# KiCad board motherboard-hk10.kicad_pcb
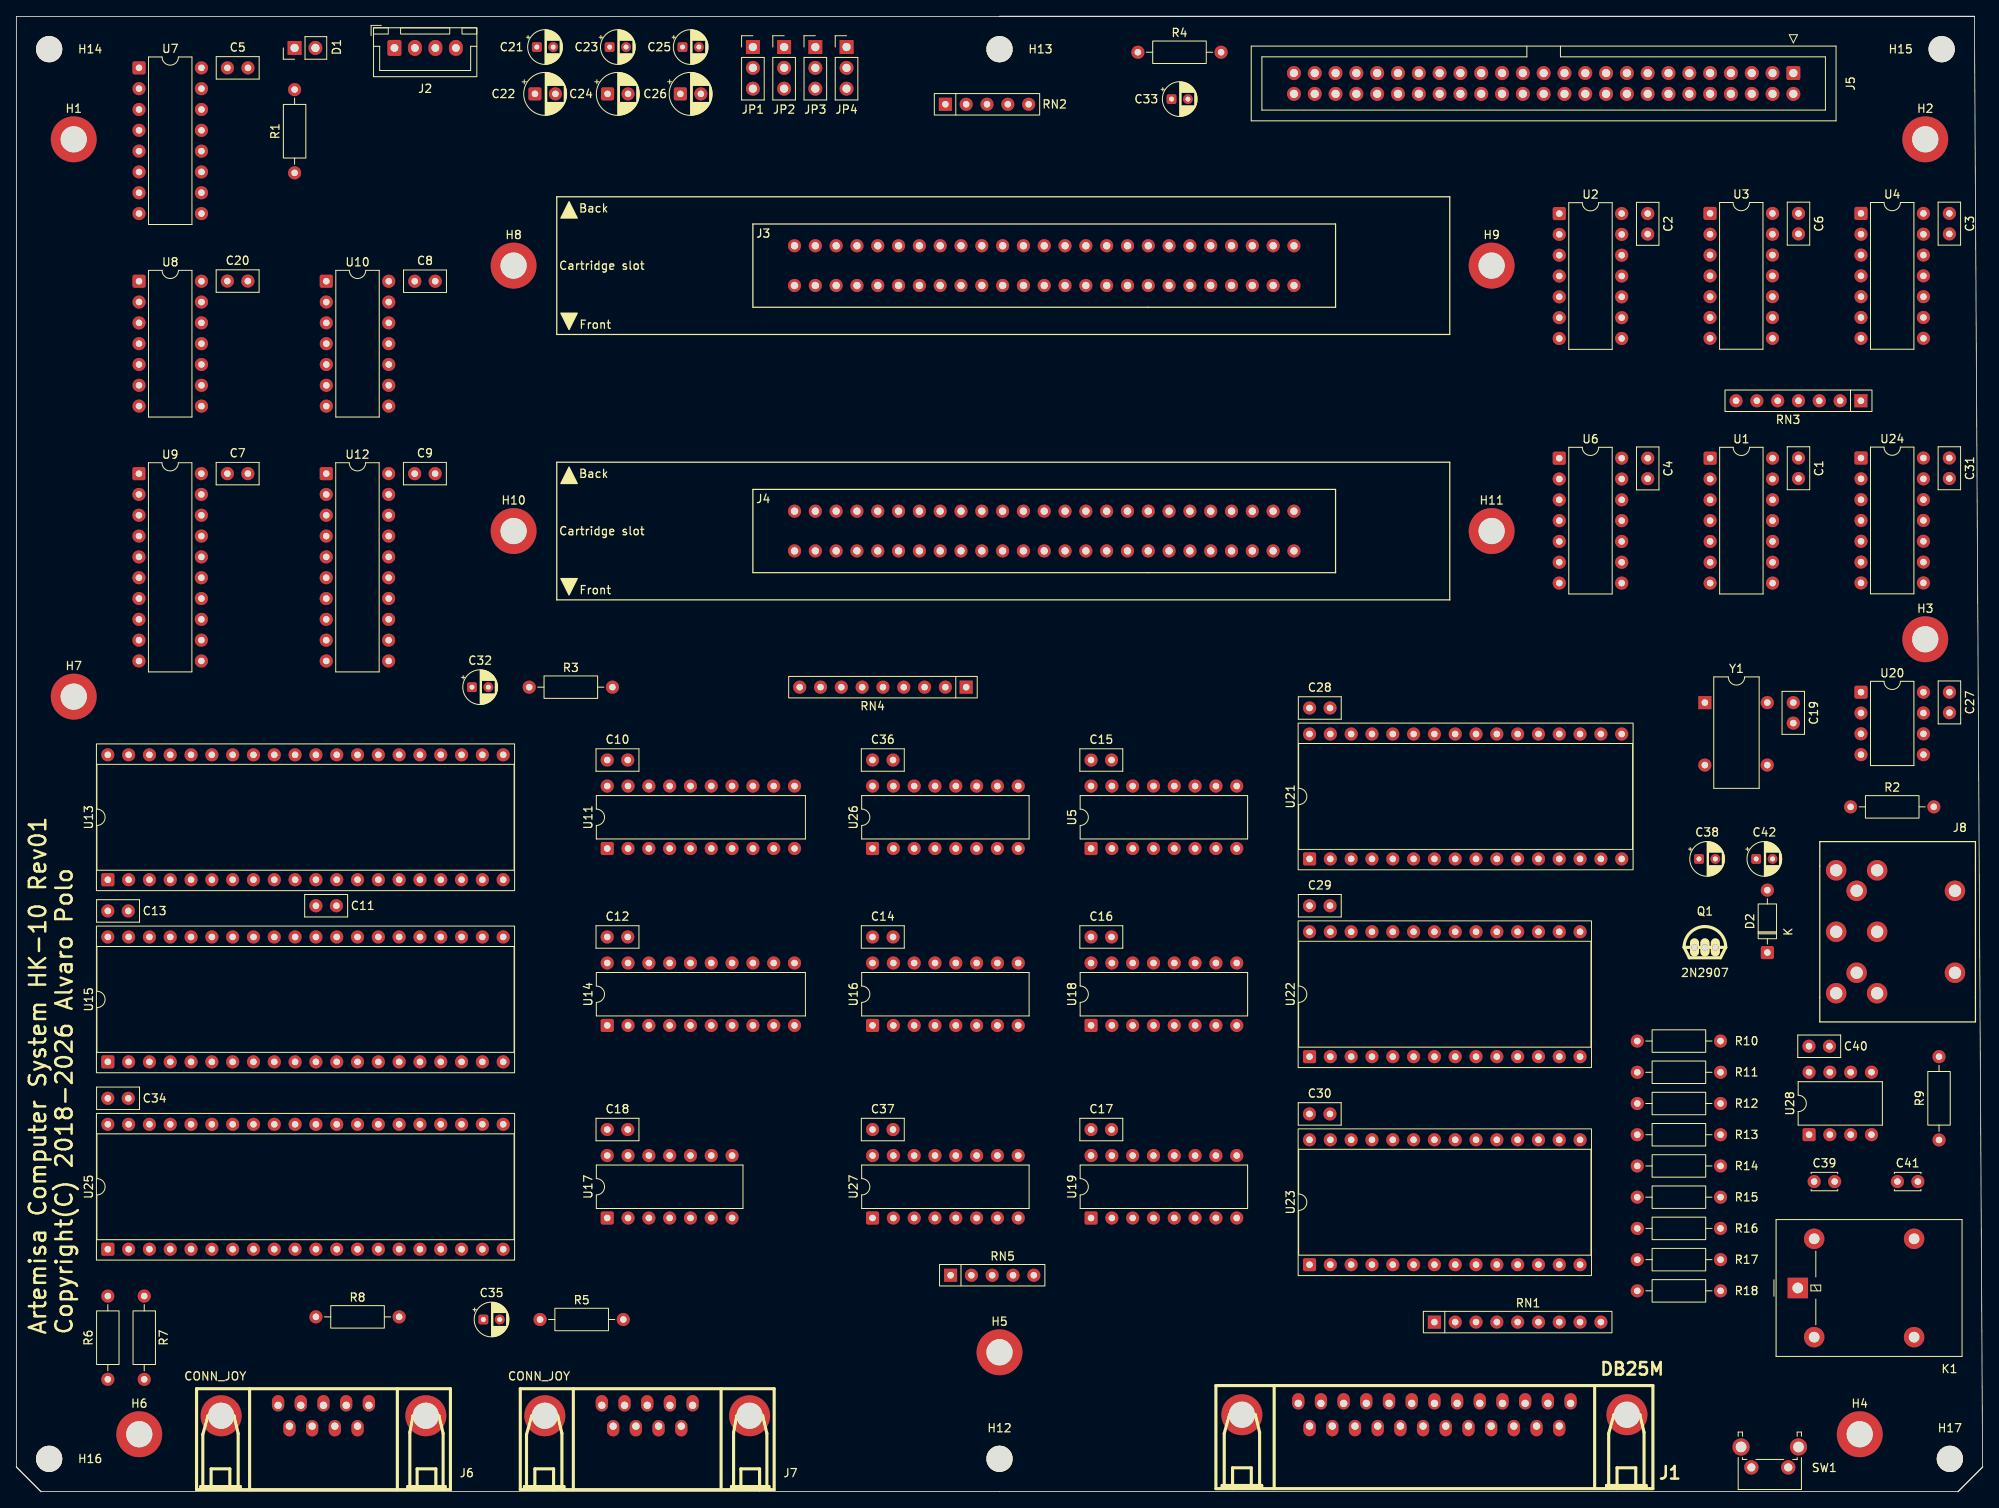
[diagram p0: board, top side]
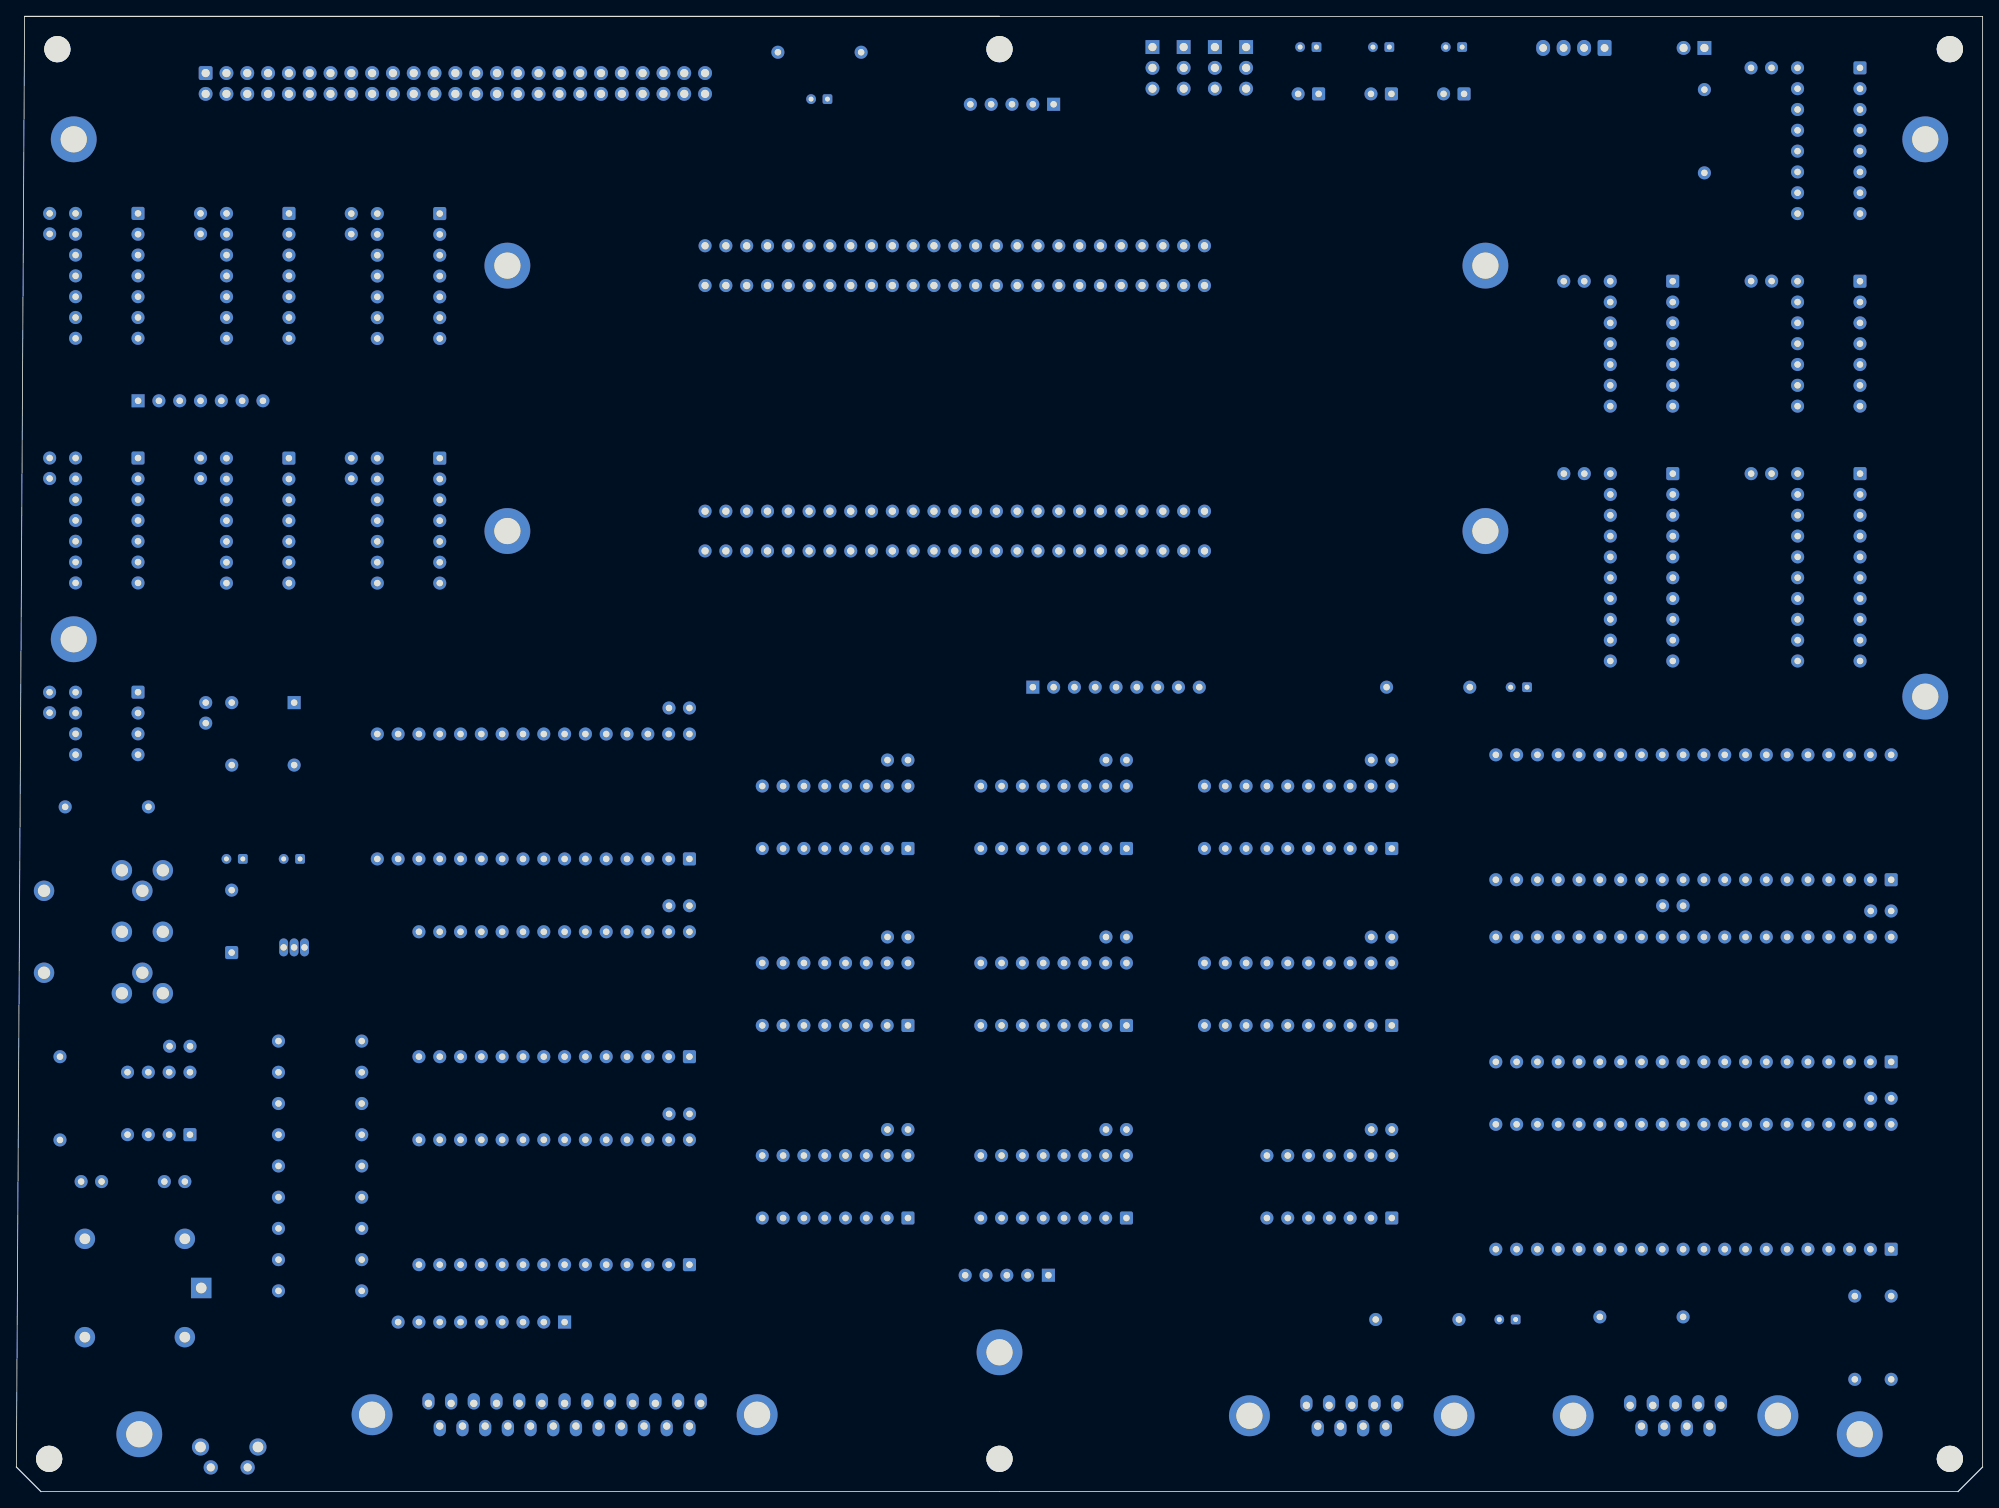
[diagram p1: board, bottom side, seen from below]

Outline 240 x 180 mm; copper layers: Top, Bottom. Coordinates in mm from the lower left corner of the outline.
Outline path: 0,180 239,180 240,3 237,0 3,0 0,3 0,180

## Placement (name value [footprint] x y rotation side)
C1  100nF  [C_Disc_D5.0mm_W2.5mm_P2.50mm]  217.52 126.11 270 top
C2  100nF  [C_Disc_D5.0mm_W2.5mm_P2.50mm]  199.12 155.94 270 top
C3  100nF  [C_Disc_D5.0mm_W2.5mm_P2.50mm]  235.94 155.96 270 top
C4  100nF  [C_Disc_D5.0mm_W2.5mm_P2.50mm]  199.12 126.09 270 top
C5  100nF  [C_Disc_D5.0mm_W2.5mm_P2.50mm]  25.77 173.72 0 top
C6  100nF  [C_Disc_D5.0mm_W2.5mm_P2.50mm]  217.52 155.96 270 top
C7  100nF  [C_Disc_D5.0mm_W2.5mm_P2.50mm]  25.75 124.21 0 top
C8  100nF  [C_Disc_D5.0mm_W2.5mm_P2.50mm]  48.62 147.69 0 top
C9  100nF  [C_Disc_D5.0mm_W2.5mm_P2.50mm]  48.61 124.21 0 top
C10  100nF  [C_Disc_D5.0mm_W2.5mm_P2.50mm]  72.12 89.26 0 top
C11  100nF  [C_Disc_D5.0mm_W2.5mm_P2.50mm]  36.56 71.48 0 top
C12  100nF  [C_Disc_D5.0mm_W2.5mm_P2.50mm]  72.12 67.67 0 top
C13  100nF  [C_Disc_D5.0mm_W2.5mm_P2.50mm]  11.16 70.85 0 top
C14  100nF  [C_Disc_D5.0mm_W2.5mm_P2.50mm]  104.51 67.67 0 top
C15  100nF  [C_Disc_D5.0mm_W2.5mm_P2.50mm]  131.18 89.26 0 top
C16  100nF  [C_Disc_D5.0mm_W2.5mm_P2.50mm]  131.18 67.67 0 top
C17  100nF  [C_Disc_D5.0mm_W2.5mm_P2.50mm]  131.18 44.18 0 top
C18  100nF  [C_Disc_D5.0mm_W2.5mm_P2.50mm]  72.12 44.18 0 top
C19  100nF  [C_Disc_D5.0mm_W2.5mm_P2.50mm]  216.89 96.27 270 top
C20  100nF  [C_Disc_D5.0mm_W2.5mm_P2.50mm]  25.75 147.7 0 top
C21  10uF  [CP_Radial_D4.0mm_P2.00mm]  63.53 176.26 0 top
C22  100uF  [CP_Radial_D5.0mm_P2.50mm]  63.29 170.54 0 top
C23  10uF  [CP_Radial_D4.0mm_P2.00mm]  72.42 176.26 0 top
C24  100uF  [CP_Radial_D5.0mm_P2.50mm]  72.16 170.54 0 top
C25  10uF  [CP_Radial_D4.0mm_P2.00mm]  81.31 176.26 0 top
C26  100uF  [CP_Radial_D5.0mm_P2.50mm]  81.05 170.54 0 top
C27  100nF  [C_Disc_D5.0mm_W2.5mm_P2.50mm]  235.95 97.54 270 top
C28  100nF  [C_Disc_D5.0mm_W2.5mm_P2.50mm]  157.85 95.61 0 top
C29  100nF  [C_Disc_D5.0mm_W2.5mm_P2.50mm]  157.85 71.48 0 top
C30  100nF  [C_Disc_D5.0mm_W2.5mm_P2.50mm]  157.83 46.09 0 top
C31  100nF  [C_Disc_D5.0mm_W2.5mm_P2.50mm]  235.94 126.11 270 top
C32  10u  [CP_Radial_D4.0mm_P2.00mm]  55.61 98.16 0 top
C33  10u  [CP_Radial_D4.0mm_P2.00mm]  141 169.91 0 top
C34  100nF  [C_Disc_D5.0mm_W2.5mm_P2.50mm]  11.16 47.99 0 top
C35  10u  [CP_Radial_D4.0mm_P2.00mm]  57 21 0 top
C36  100nF  [C_Disc_D5.0mm_W2.5mm_P2.50mm]  104.51 89.26 0 top
C37  100nF  [C_Disc_D5.0mm_W2.5mm_P2.50mm]  104.51 44.18 0 top
C38  1uF  [CP_Radial_D4.0mm_P2.00mm]  205.38 77.2 0 top
C39  22nF  [C_Disc_D3.0mm_W2.0mm_P2.50mm]  219.44 37.83 0 top
C40  100nF  [C_Disc_D5.0mm_W2.5mm_P2.50mm]  218.81 54.34 0 top
C41  22nF  [C_Disc_D3.0mm_W2.0mm_P2.50mm]  229.6 37.83 0 top
C42  1uF  [CP_Radial_D4.0mm_P2.00mm]  212.36 77.2 0 top
D1  LED  [PinHeader_1x02_P2.54mm_Vertical]  33.96 176.15 90 top
D2  1N4448  [D_DO-35_SOD27_P7.62mm_Horizontal]  213.72 65.77 90 top
H1  -  [MountingHole_3.2mm_M3_DIN965_Pad]  7 165 0 top
H2  -  [MountingHole_3.2mm_M3_DIN965_Pad]  233 165 0 top
H3  -  [MountingHole_3.2mm_M3_DIN965_Pad]  233 104 0 top
H4  -  [MountingHole_3.2mm_M3_DIN965_Pad]  225 7 0 top
H5  -  [MountingHole_3.2mm_M3_DIN965_Pad]  120 17 0 top
H6  -  [MountingHole_3.2mm_M3_DIN965_Pad]  15 7 0 top
H7  -  [MountingHole_3.2mm_M3_DIN965_Pad]  7 97 0 top
H8  -  [MountingHole_3.2mm_M3_DIN965_Pad]  60.69 149.59 0 top
H9  -  [MountingHole_3.2mm_M3_DIN965_Pad]  180.07 149.59 0 top
H10  -  [MountingHole_3.2mm_M3_DIN965_Pad]  60.69 117.2 0 top
H11  -  [MountingHole_3.2mm_M3_DIN965_Pad]  180.07 117.2 0 top
H12  -  [MountingHole_3.2mm_M3_DIN965]  120 4 0 top
H13  -  [MountingHole_3.2mm_M3_DIN965]  120 176 0 top
H14  -  [MountingHole_3.2mm_M3_DIN965]  4 176 0 top
H15  -  [MountingHole_3.2mm_M3_DIN965]  235 176 0 top
H16  -  [MountingHole_3.2mm_M3_DIN965]  4 4 0 top
H17  -  [MountingHole_3.2mm_M3_DIN965]  236 4 0 top
J1  -  [DB25M]  173.08 2.27 0 top
J2  Conn_01x04_Socket  [JST_XH_B4B-XH-A_1x04_P2.50mm_Vertical]  46.14 176.15 0 top
J3  MSX_Slot  [Slot_conn]  125.46 149.59 0 top
J4  MSX_Slot  [Slot_conn]  125.46 117.2 0 top
J5  GFX_Connector_Output  [IDC-Header_2x25_P2.54mm_Vertical]  216.9 173.08 270 top
J6  CONN_JOY  [Joystick_conn]  37.48 2.14 0 top
J7  CONN_JOY  [Joystick_conn]  77 2.14 0 top
J8  -  [DIN8]  239.12 68.31 90 top
JP1  Jumper  [PinHeader_1x03_P2.54mm_Vertical]  89.9 176.26 0 top
JP2  Jumper  [PinHeader_1x03_P2.54mm_Vertical]  93.71 176.26 0 top
JP3  Jumper  [PinHeader_1x03_P2.54mm_Vertical]  97.52 176.26 0 top
JP4  Jumper  [PinHeader_1x03_P2.54mm_Vertical]  101.33 176.26 0 top
K1  Relay  [Relay_SPDT_Omron-G5LE-1]  217.44 24.84 90 top
Q1  2N2907  [TO92]  206.1 66.41 0 top
R1  220  [R_Axial_DIN0207_L6.3mm_D2.5mm_P10.16mm_Horizontal]  33.96 160.91 90 top
R2  4K7  [R_Axial_DIN0207_L6.3mm_D2.5mm_P10.16mm_Horizontal]  223.88 83.55 0 top
R3  20k  [R_Axial_DIN0207_L6.3mm_D2.5mm_P10.16mm_Horizontal]  62.59 98.16 0 top
R4  4k7  [R_Axial_DIN0207_L6.3mm_D2.5mm_P10.16mm_Horizontal]  136.89 175.62 0 top
R5  2k7  [R_Axial_DIN0207_L6.3mm_D2.5mm_P10.16mm_Horizontal]  63.92 21 0 top
R6  470  [R_Axial_DIN0207_L6.3mm_D2.5mm_P10.16mm_Horizontal]  11.16 13.7 90 top
R7  10K  [R_Axial_DIN0207_L6.3mm_D2.5mm_P10.16mm_Horizontal]  15.61 23.86 270 top
R8  10K  [R_Axial_DIN0207_L6.3mm_D2.5mm_P10.16mm_Horizontal]  36.56 21.32 0 top
R9  1k  [R_Axial_DIN0207_L6.3mm_D2.5mm_P10.16mm_Horizontal]  234.68 42.91 90 top
R10  4k7  [R_Axial_DIN0207_L6.3mm_D2.5mm_P10.16mm_Horizontal]  197.85 54.97 0 top
R11  2k2  [R_Axial_DIN0207_L6.3mm_D2.5mm_P10.16mm_Horizontal]  197.85 51.16 0 top
R12  4k7  [R_Axial_DIN0207_L6.3mm_D2.5mm_P10.16mm_Horizontal]  197.85 47.35 0 top
R13  100  [R_Axial_DIN0207_L6.3mm_D2.5mm_P10.16mm_Horizontal]  197.85 43.54 0 top
R14  4k7  [R_Axial_DIN0207_L6.3mm_D2.5mm_P10.16mm_Horizontal]  197.85 39.73 0 top
R15  220k  [R_Axial_DIN0207_L6.3mm_D2.5mm_P10.16mm_Horizontal]  197.85 35.92 0 top
R16  10k  [R_Axial_DIN0207_L6.3mm_D2.5mm_P10.16mm_Horizontal]  197.85 32.11 0 top
R17  2k7  [R_Axial_DIN0207_L6.3mm_D2.5mm_P10.16mm_Horizontal]  197.85 28.31 0 top
R18  2k7  [R_Axial_DIN0207_L6.3mm_D2.5mm_P10.16mm_Horizontal]  197.85 24.5 0 top
RN1  10K  [R_Array_SIP9]  173.08 20.69 0 top
RN2  10K  [R_Array_SIP5]  113.39 169.27 0 top
RN3  10K  [R_Array_SIP7]  225.14 133.1 180 top
RN4  10K  [R_Array_SIP9]  115.93 98.16 180 top
RN5  10K  [R_Array_SIP5]  114.03 26.4 0 top
SW1  Push_button  [Push_button_angled]  216.27 2.95 180 top
U1  74HC04  [DIP-14_W7.62mm]  206.74 126.09 0 top
U2  74HC32  [DIP-14_W7.62mm]  188.32 155.94 0 top
U3  74HC32  [DIP-14_W7.62mm]  206.73 155.96 0 top
U4  74HC32  [DIP-14_W7.62mm]  225.15 155.96 0 top
U5  74HC139  [DIP-16_W7.62mm]  131.18 78.47 90 top
U6  74HC08  [DIP-14_W7.62mm]  188.32 126.09 0 top
U7  74HC138  [DIP-16_W7.62mm]  14.97 173.72 0 top
U8  74HC74  [DIP-14_W7.62mm]  14.97 147.69 0 top
U9  74HCT244  [DIP-20_W7.62mm]  14.96 124.21 0 top
U10  74HC74  [DIP-14_W7.62mm]  37.83 147.69 0 top
U11  74HCT244  [DIP-20_W7.62mm]  72.12 78.47 90 top
U12  74HCT244  [DIP-20_W7.62mm]  37.82 124.21 0 top
U13  Z84C00  [DIP-40_W15.24mm_Socket]  11.16 74.66 90 top
U14  74HCT245  [DIP-20_W7.62mm]  72.12 56.88 90 top
U15  82C55A  [DIP-40_W15.24mm_Socket]  11.16 52.44 90 top
U16  74HC153  [DIP-16_W7.62mm]  104.51 56.88 90 top
U17  74LS07  [DIP-14_W7.62mm]  72.12 33.38 90 top
U18  74HC138  [DIP-16_W7.62mm]  131.18 56.88 90 top
U19  74HC138  [DIP-16_W7.62mm]  131.18 33.38 90 top
U20  MIC1232  [DIP-8_W7.62mm]  225.15 97.54 0 top
U21  SST39SF0  [DIP-32_W15.24mm_Socket]  157.85 77.2 90 top
U22  62256  [DIP-28_W15.24mm_Socket]  157.85 53.07 90 top
U23  62256  [DIP-28_W15.24mm_Socket]  157.85 27.69 90 top
U24  74HCT08  [DIP-14_W7.62mm]  225.15 126.11 0 top
U25  AY-3-8910  [DIP-40_W15.24mm_Socket]  11.16 29.57 90 top
U26  74HC157  [DIP-16_W7.62mm]  104.51 78.47 90 top
U27  74HC157  [DIP-16_W7.62mm]  104.51 33.38 90 top
U28  LM311  [DIP-8_W7.62mm]  218.81 43.56 90 top
Y1  SG-531  [Oscillator_SeikoEpson_SG-8002DC]  206.09 96.27 0 top

## Library data of the parts
C1-C20 C27-C31 C34 C36 C37 C39-C41 = -: KiLib_Generator: capacitor/THT/other; ki_fp_filters: C_*
C21-C26 C32 C33 C35 C38 C42 = -: KiLib_Generator: capacitor/THT/other; ki_fp_filters: CP_*
D1 J5 JP1-JP4 = -: KiLib_Generator: connector/pin_header_socket
D2 = -: KiLib_Generator: diode/THT
H1-H17 = -: KiLib_Generator: mounting_hardware/mounting_hole
J1 = -: ki_fp_filters: Connector*:*_1x??_*
J2 = -: Description: Generic connector, single row, 01x04, script generated; KiLib_Generator: connector/JST; ki_fp_filters: Connector*:*_1x??_*
R1-R18 = -: KiLib_Generator: resistor/THT
RN1-RN5 = -: KiLib_Generator: resistor/array_SIP_THT
U1-U19 U21-U28 = -: KiLib_Generator: package/DIP/legacy
U20 = -: Datasheet: https://ww1.microchip.com/downloads/aemDocuments/documents/APID/ProductDocuments/DataSheets/MIC1232-5V-Voltage-Supervisor-with-Manual-Reset-Watchdog-Timer-and-Dual-Reset-Outputs-DS20006726.pdf; KiLib_Generator: package/DIP/legacy
Y1 = -: Datasheet: https://support.epson.biz/td/api/doc_check.php?mode=dl&lang=en&Parts=SG-51P; Description: CMOS Crystal Clock Oscillator, DIP8-style plastic package; ki_fp_filters: Oscillator*SeikoEpson*SG?8002DC*

## Footprints (pads in the part's own frame, mm; a bottom-side part is the same pattern mirrored in y, then rotated)
C_Disc_D3.0mm_W2.0mm_P2.50mm
  round 1.6 hole 0.8: 1(0,0) 2(2.5,0)
C_Disc_D5.0mm_W2.5mm_P2.50mm
  round 1.6 hole 0.8: 1(0,0) 2(2.5,0)
CP_Radial_D4.0mm_P2.00mm
  rrect 1.2x1.2 hole 0.6: 1(0,0)
  round 1.2 hole 0.6: 2(2,0)
CP_Radial_D5.0mm_P2.50mm
  rrect 1.6x1.6 hole 0.8: 1(0,0)
  round 1.6 hole 0.8: 2(2.5,0)
D_DO-35_SOD27_P7.62mm_Horizontal
  rrect 1.6x1.6 hole 0.8: 1(0,0)
  round 1.6 hole 0.8: 2(7.62,0)
DB25M
  round 5.001 hole 3.2: (-23.5,7.112) (23.5,7.112)
  oval 1.501x1.999 hole 0.899: 1(-16.619,8.496) 2(-13.851,8.496) 3(-11.079,8.496) 4(-8.311,8.496) 5(-5.54,8.496) 6(-2.771,8.496) 7(0,8.496) 8(2.771,8.496) 9(5.54,8.496) 10(8.311,8.496) 11(11.079,8.496) 12(13.851,8.496) 13(16.619,8.496) 14(-15.235,5.728) 15(-12.464,5.728) 16(-9.695,5.728) 17(-6.924,5.728) 18(-4.155,5.728) 19(-1.384,5.728) 20(1.384,5.728) 21(4.155,5.728) 22(6.924,5.728) 23(9.695,5.728) 24(12.464,5.728) 25(15.235,5.728)
DIN8
  round 2.5 hole 1.5: (-5,2.5) (5,2.5) 1(7.5,12) 2(0,12) 3(-7.5,12) 4(5,14.5) 5(-5,14.5) 6(7.5,17) 7(-7.5,17) 8(0,17)
DIP-8_W7.62mm
  rrect 1.6x1.6 hole 0.8: 1(0,0)
  round 1.6 hole 0.8: 2(0,-2.54) 3(0,-5.08) 4(0,-7.62) 5(7.62,-7.62) 6(7.62,-5.08) 7(7.62,-2.54) 8(7.62,0)
DIP-14_W7.62mm
  rrect 1.6x1.6 hole 0.8: 1(0,0)
  round 1.6 hole 0.8: 2(0,-2.54) 3(0,-5.08) 4(0,-7.62) 5(0,-10.16) 6(0,-12.7) 7(0,-15.24) 8(7.62,-15.24) 9(7.62,-12.7) 10(7.62,-10.16) 11(7.62,-7.62) 12(7.62,-5.08) 13(7.62,-2.54) 14(7.62,0)
DIP-16_W7.62mm
  rrect 1.6x1.6 hole 0.8: 1(0,0)
  round 1.6 hole 0.8: 2(0,-2.54) 3(0,-5.08) 4(0,-7.62) 5(0,-10.16) 6(0,-12.7) 7(0,-15.24) 8(0,-17.78) 9(7.62,-17.78) 10(7.62,-15.24) 11(7.62,-12.7) 12(7.62,-10.16) 13(7.62,-7.62) 14(7.62,-5.08) 15(7.62,-2.54) 16(7.62,0)
DIP-20_W7.62mm
  rrect 1.6x1.6 hole 0.8: 1(0,0)
  round 1.6 hole 0.8: 2(0,-2.54) 3(0,-5.08) 4(0,-7.62) 5(0,-10.16) 6(0,-12.7) 7(0,-15.24) 8(0,-17.78) 9(0,-20.32) 10(0,-22.86) 11(7.62,-22.86) 12(7.62,-20.32) 13(7.62,-17.78) 14(7.62,-15.24) 15(7.62,-12.7) 16(7.62,-10.16) 17(7.62,-7.62) 18(7.62,-5.08) 19(7.62,-2.54) 20(7.62,0)
DIP-28_W15.24mm_Socket
  rrect 1.6x1.6 hole 0.8: 1(0,0)
  round 1.6 hole 0.8: 2(0,-2.54) 3(0,-5.08) 4(0,-7.62) 5(0,-10.16) 6(0,-12.7) 7(0,-15.24) 8(0,-17.78) 9(0,-20.32) 10(0,-22.86) 11(0,-25.4) 12(0,-27.94) 13(0,-30.48) 14(0,-33.02) 15(15.24,-33.02) 16(15.24,-30.48) 17(15.24,-27.94) 18(15.24,-25.4) 19(15.24,-22.86) 20(15.24,-20.32) 21(15.24,-17.78) 22(15.24,-15.24) 23(15.24,-12.7) 24(15.24,-10.16) 25(15.24,-7.62) 26(15.24,-5.08) 27(15.24,-2.54) 28(15.24,0)
DIP-32_W15.24mm_Socket
  rrect 1.6x1.6 hole 0.8: 1(0,0)
  round 1.6 hole 0.8: 2(0,-2.54) 3(0,-5.08) 4(0,-7.62) 5(0,-10.16) 6(0,-12.7) 7(0,-15.24) 8(0,-17.78) 9(0,-20.32) 10(0,-22.86) 11(0,-25.4) 12(0,-27.94) 13(0,-30.48) 14(0,-33.02) 15(0,-35.56) 16(0,-38.1) 17(15.24,-38.1) 18(15.24,-35.56) 19(15.24,-33.02) 20(15.24,-30.48) 21(15.24,-27.94) 22(15.24,-25.4) 23(15.24,-22.86) 24(15.24,-20.32) 25(15.24,-17.78) 26(15.24,-15.24) 27(15.24,-12.7) 28(15.24,-10.16) 29(15.24,-7.62) 30(15.24,-5.08) 31(15.24,-2.54) 32(15.24,0)
DIP-40_W15.24mm_Socket
  rrect 1.6x1.6 hole 0.8: 1(0,0)
  round 1.6 hole 0.8: 2(0,-2.54) 3(0,-5.08) 4(0,-7.62) 5(0,-10.16) 6(0,-12.7) 7(0,-15.24) 8(0,-17.78) 9(0,-20.32) 10(0,-22.86) 11(0,-25.4) 12(0,-27.94) 13(0,-30.48) 14(0,-33.02) 15(0,-35.56) 16(0,-38.1) 17(0,-40.64) 18(0,-43.18) 19(0,-45.72) 20(0,-48.26) 21(15.24,-48.26) 22(15.24,-45.72) 23(15.24,-43.18) 24(15.24,-40.64) 25(15.24,-38.1) 26(15.24,-35.56) 27(15.24,-33.02) 28(15.24,-30.48) 29(15.24,-27.94) 30(15.24,-25.4) 31(15.24,-22.86) 32(15.24,-20.32) 33(15.24,-17.78) 34(15.24,-15.24) 35(15.24,-12.7) 36(15.24,-10.16) 37(15.24,-7.62) 38(15.24,-5.08) 39(15.24,-2.54) 40(15.24,0)
IDC-Header_2x25_P2.54mm_Vertical
  rrect 1.7x1.7 hole 1: 1(0,0)
  round 1.7 hole 1: 2(2.54,0) 3(0,-2.54) 4(2.54,-2.54) 5(0,-5.08) 6(2.54,-5.08) 7(0,-7.62) 8(2.54,-7.62) 9(0,-10.16) 10(2.54,-10.16) 11(0,-12.7) 12(2.54,-12.7) 13(0,-15.24) 14(2.54,-15.24) 15(0,-17.78) 16(2.54,-17.78) 17(0,-20.32) 18(2.54,-20.32) 19(0,-22.86) 20(2.54,-22.86) 21(0,-25.4) 22(2.54,-25.4) 23(0,-27.94) 24(2.54,-27.94) 25(0,-30.48) 26(2.54,-30.48) 27(0,-33.02) 28(2.54,-33.02) 29(0,-35.56) 30(2.54,-35.56) 31(0,-38.1) 32(2.54,-38.1) 33(0,-40.64) 34(2.54,-40.64) 35(0,-43.18) 36(2.54,-43.18) 37(0,-45.72) 38(2.54,-45.72) 39(0,-48.26) 40(2.54,-48.26) 41(0,-50.8) 42(2.54,-50.8) 43(0,-53.34) 44(2.54,-53.34) 45(0,-55.88) 46(2.54,-55.88) 47(0,-58.42) 48(2.54,-58.42) 49(0,-60.96) 50(2.54,-60.96)
Joystick_conn
  round 5.001 hole 3.2: (-12.494,7.112) (12.494,7.112)
  oval 1.501x1.999 hole 0.899: 1(-5.54,8.382) 2(-2.771,8.382) 3(0,8.382) 4(2.771,8.382) 5(5.54,8.382) 6(-4.155,5.842) 7(-1.384,5.842) 8(1.384,5.842) 9(4.155,5.842)
JST_XH_B4B-XH-A_1x04_P2.50mm_Vertical
  rrect 1.7x1.95 hole 0.95: 1(0,0)
  oval 1.7x1.95 hole 0.95: 2(2.5,0) 3(5,0) 4(7.5,0)
MountingHole_3.2mm_M3_DIN965
  round 3.2 hole 3.2 unplated: (0,0)
MountingHole_3.2mm_M3_DIN965_Pad
  round 5.6 hole 3.2: 1(0,0)
Oscillator_SeikoEpson_SG-8002DC
  rect 1.6x1.6 hole 0.8: 1(0,0)
  oval 1.6x1.6 hole 0.8: 4(0,-7.62) 5(7.62,-7.62) 8(7.62,0)
PinHeader_1x02_P2.54mm_Vertical
  rect 1.7x1.7 hole 1: 1(0,0)
  round 1.7 hole 1: 2(0,-2.54)
PinHeader_1x03_P2.54mm_Vertical
  rect 1.7x1.7 hole 1: 1(0,0)
  round 1.7 hole 1: 2(0,-2.54) 3(0,-5.08)
Push_button_angled
  round 2.1 hole 1.3: (-1.25,-2.49) (5.76,-2.49)
  round 1.75 hole 0.99: 1(0,0) 2(4.5,0)
R_Array_SIP5
  rect 1.6x1.6 hole 0.8: 1(0,0)
  round 1.6 hole 0.8: 2(2.54,0) 3(5.08,0) 4(7.62,0) 5(10.16,0)
R_Array_SIP7
  rect 1.6x1.6 hole 0.8: 1(0,0)
  round 1.6 hole 0.8: 2(2.54,0) 3(5.08,0) 4(7.62,0) 5(10.16,0) 6(12.7,0) 7(15.24,0)
R_Array_SIP9
  rect 1.6x1.6 hole 0.8: 1(0,0)
  round 1.6 hole 0.8: 2(2.54,0) 3(5.08,0) 4(7.62,0) 5(10.16,0) 6(12.7,0) 7(15.24,0) 8(17.78,0) 9(20.32,0)
R_Axial_DIN0207_L6.3mm_D2.5mm_P10.16mm_Horizontal
  round 1.6 hole 0.8: 1(0,0) 2(10.16,0)
Relay_SPDT_Omron-G5LE-1
  rect 2.5x2.5 hole 1.3: 1(0,0)
  oval 2.5x2.5 hole 1.3: 2(-6,-2) 3(-6,-14.2) 4(6,-14.2) 5(6,-2)
Slot_conn
  round 1.6 hole 0.9: 1(30.48,2.425) 2(30.48,-2.425) 3(27.94,2.425) 4(27.94,-2.425) 5(25.4,2.425) 6(25.4,-2.425) 7(22.86,2.425) 8(22.86,-2.425) 9(20.32,2.425) 10(20.32,-2.425) 11(17.78,2.425) 12(17.78,-2.425) 13(15.24,2.425) 14(15.24,-2.425) 15(12.7,2.425) 16(12.7,-2.425) 17(10.16,2.425) 18(10.16,-2.425) 19(7.62,2.425) 20(7.62,-2.425) 21(5.08,2.425) 22(5.08,-2.425) 23(2.54,2.425) 24(2.54,-2.425) 25(0,2.425) 26(0,-2.425) 27(-2.54,2.425) 28(-2.54,-2.425) 29(-5.08,2.425) 30(-5.08,-2.425) 31(-7.62,2.425) 32(-7.62,-2.425) 33(-10.16,2.425) 34(-10.16,-2.425) 35(-12.7,2.425) 36(-12.7,-2.425) 37(-15.24,2.425) 38(-15.24,-2.425) 39(-17.78,2.425) 40(-17.78,-2.425) 41(-20.32,2.425) 42(-20.32,-2.425) 43(-22.86,2.425) 44(-22.86,-2.425) 45(-25.4,2.425) 46(-25.4,-2.425) 47(-27.94,2.425) 48(-27.94,-2.425) 49(-30.48,2.425) 50(-30.48,-2.425)
TO92
  oval 1.1x2.2 hole 0.8: 1(1.27,0) 2(0,0) 3(-1.27,0)

## Nets
12V: C23.1 C24.1 J2.4 J3.48 J4.48 J5.48
-12V: C25.2 C26.2 J2.3 J3.50 J4.50 J5.50
GND: C1.2 C2.2 C3.2 C4.2 C5.2 C6.2 C7.2 C8.2 C9.2 C10.2 C11.2 C12.2 C13.2 C14.2 C15.2 C16.2 C17.2 C18.2 C19.2 C20.2 C21.2 C22.2 C23.2 C24.2 C25.1 C26.1 C27.2 C28.2 C29.2 C30.2 C31.2 C34.2 C36.2 C37.2 C39.2 C40.2 C42.2 D1.2 J1.24 J1.25 J2.1 J3.41 J3.43 J4.41 J4.43 J5.41 J5.43 J6.9 J7.9 J8.1 J8.2 J8.3 J8.8 JP1.3 JP2.3 JP3.3 JP4.3 Q1.1 R6.2 R7.2 R13.1 R18.1 RN2.1 SW1.1 U1.7 U2.7 U3.7 U4.7 U5.8 U6.7 U7.8 U8.7 U8.11 U8.12 U9.1 U9.10 U9.19 U10.7 U11.1 U11.8 U11.10 U11.17 U11.19 U12.1 U12.10 U12.19 U13.29 U14.10 U14.19 U15.6 U15.7 U16.8 U17.7 U18.5 U18.8 U19.4 U19.5 U19.8 U20.2 U20.3 U20.4 U21.16 U22.14 U23.14 U24.7 U25.1 U25.24 U26.8 U26.15 U27.8 U27.10 U27.11 U27.13 U27.14 U27.15 U28.1 U28.4 Y1.4
VCC: C1.1 C2.1 C3.1 C4.1 C5.1 C6.1 C7.1 C8.1 C9.1 C10.1 C11.1 C12.1 C13.1 C14.1 C15.1 C16.1 C17.1 C18.1 C19.1 C20.1 C21.1 C22.1 C27.1 C28.1 C29.1 C30.1 C31.1 C34.1 C36.1 C37.1 C40.1 D2.2 J1.23 J2.2 J3.45 J3.47 J4.45 J4.47 J5.4 J5.45 J5.47 J6.5 J7.5 JP1.1 JP2.1 JP3.1 JP4.1 K1.1 R1.1 R2.1 R8.1 R9.2 R15.2 R17.2 RN1.1 RN3.1 RN4.1 RN5.1 U1.14 U2.14 U3.14 U4.14 U5.16 U6.12 U6.14 U7.16 U8.1 U8.4 U8.14 U9.20 U10.13 U10.14 U11.20 U12.20 U13.11 U13.17 U13.25 U14.20 U15.26 U16.16 U17.14 U18.6 U18.16 U19.16 U20.8 U21.31 U21.32 U22.28 U23.28 U24.14 U25.25 U25.28 U25.40 U26.16 U27.16 U28.8 Y1.1 Y1.8
/ADDR0: J3.28 J4.28 J5.28 U3.9 U9.18 U15.9 U21.12 U22.10 U23.10
/ADDR1: J3.27 J4.27 J5.27 U1.3 U3.13 U9.16 U15.8 U21.11 U22.9 U23.9
/ADDR2: J3.30 J4.30 J5.30 U9.14 U21.10 U22.8 U23.8
/ADDR3: J3.29 J4.29 J5.29 U7.1 U9.12 U21.9 U22.7 U23.7
/ADDR4: J3.32 J4.32 J5.32 U7.2 U9.9 U21.8 U22.6 U23.6
/ADDR5: J3.31 J4.31 J5.31 U7.3 U9.7 U21.7 U22.5 U23.5
/ADDR6: J3.22 J4.22 J5.22 U2.2 U9.5 U21.6 U22.4 U23.4
/ADDR7: J3.21 J4.21 J5.21 U1.9 U9.3 U21.5 U22.3 U23.3
/ADDR8: J3.24 J4.24 J5.24 U12.18 U21.27 U22.25 U23.25
/ADDR9: J3.17 J4.17 J5.17 U12.16 U21.26 U22.24 U23.24
/ADDR10: J3.20 J4.20 J5.20 U12.14 U21.23 U22.21 U23.21
/ADDR11: J3.19 J4.19 J5.19 U12.12 U21.25 U22.23 U23.23
/ADDR12: J3.23 J4.23 J5.23 U12.9 U21.4 U22.2 U23.2
/ADDR13: J3.26 J4.26 J5.26 U12.7 U21.28 U22.26 U23.26
/ADDR14: J3.25 J4.25 J5.25 U5.14 U12.5 U16.14 U21.29 U22.1 U23.1
/ADDR15: J3.18 J4.18 J5.18 U1.1 U3.2 U5.13 U12.3 U16.2
/AUDIO: J5.49 R3.2 R4.2 R5.2
/BEEP: C32.1 U15.10
/CASIN: R9.1 U25.14 U28.7
/CASOUT: C38.1 U15.12
/CLK: J3.42 J4.42 J5.42 U6.11 U8.3 U10.3 U10.11 U13.6 U20.7
/CPU/A0: U9.2 U13.30
/CPU/A1: U9.4 U13.31
/CPU/A2: U9.6 U13.32
/CPU/A3: U9.8 U13.33
/CPU/A4: U9.11 U13.34
/CPU/A5: U9.13 U13.35
/CPU/A6: U9.15 U13.36
/CPU/A7: U9.17 U13.37
/CPU/A8: U12.2 U13.38
/CPU/A9: U12.4 U13.39
/CPU/A10: U12.6 U13.40
/CPU/A11: U12.8 U13.1
/CPU/A12: U12.11 U13.2
/CPU/A13: U12.13 U13.3
/CPU/A14: U12.15 U13.4
/CPU/A15: U12.17 U13.5
/CPU/D0: U13.14 U14.2
/CPU/D1: U13.15 U14.3
/CPU/D2: U13.12 U14.4
/CPU/D3: U13.8 U14.5
/CPU/D4: U13.7 U14.6
/CPU/D5: U13.9 U14.7
/CPU/D6: U13.10 U14.8
/CPU/D7: U13.13 U14.9
/DATA0: J3.34 J4.34 J5.34 U14.18 U15.34 U21.13 U22.11 U23.11 U25.37
/DATA1: J3.33 J4.33 J5.33 U14.17 U15.33 U21.14 U22.12 U23.12 U25.36
/DATA2: J3.36 J4.36 J5.36 U14.16 U15.32 U21.15 U22.13 U23.13 U25.35
/DATA3: J3.35 J4.35 J5.35 U14.15 U15.31 U21.17 U22.15 U23.15 U25.34
/DATA4: J3.38 J4.38 J5.38 U14.14 U15.30 U21.18 U22.16 U23.16 U25.33
/DATA5: J3.37 J4.37 J5.37 U14.13 U15.29 U21.19 U22.17 U23.17 U25.32
/DATA6: J3.40 J4.40 J5.40 U14.12 U15.28 U21.20 U22.18 U23.18 U25.31
/DATA7: J3.39 J4.39 J5.39 U14.11 U15.27 U21.21 U22.19 U23.19 U25.30
/DATADIR: U6.3 U14.1
/DECODING/~{PPISL}: U4.5 U4.9 U7.10 U8.10
/DECODING/~{PSGBDIR}: U1.13 U3.11 U6.10
/DECODING/~{PSGRD}: U2.5 U2.8
/DECODING/~{PSGSL}: U2.10 U2.12 U7.11
/DECODING/~{PSGWR}: U2.11 U3.12
/EXTSOUND: C33.1 J3.49 J4.49
/KBCOL0: J1.1 RN1.2 U15.18
/KBCOL1: J1.2 RN1.3 U15.19
/KBCOL2: J1.3 RN1.4 U15.20
/KBCOL3: J1.4 RN1.5 U15.21
/KBCOL4: J1.5 RN1.6 U15.22
/KBCOL5: J1.6 RN1.7 U15.23
/KBCOL6: J1.7 RN1.8 U15.24
/KBCOL7: J1.8 RN1.9 U15.25
/KBD/~{CAPSL}: J1.20 U17.10
/KBD/~{KANAL}: J1.21 U17.12
/KBD/~{RSL0}: J1.9 U18.15
/KBD/~{RSL1}: J1.10 U18.14
/KBD/~{RSL2}: J1.11 U18.13
/KBD/~{RSL3}: J1.12 U18.12
/KBD/~{RSL4}: J1.13 U18.11
/KBD/~{RSL5}: J1.14 U18.10
/KBD/~{RSL6}: J1.15 U18.9
/KBD/~{RSL7}: J1.16 U18.7
/KBD/~{RSL8}: J1.17 U19.15
/KBD/~{RSL9}: J1.18 U19.14
/KBD/~{RSL10}: J1.19 U19.13
/KBROW0: U15.14 U18.1 U19.1
/KBROW1: U15.15 U18.2 U19.2
/KBROW2: U15.16 U18.3 U19.3
/KBROW3: U15.17 U18.4 U19.6
/PPI/PA0: U15.4 U16.6
/PPI/PA1: U15.3 U16.10
/PPI/PA2: U15.2 U16.5
/PPI/PA3: U15.1 U16.11
/PPI/PA4: U15.40 U16.4
/PPI/PA5: U15.39 U16.12
/PPI/PA6: U15.38 U16.3
/PPI/PA7: U15.37 U16.13
/PSG/IOA0: U25.21 U26.4
/PSG/IOA1: U25.20 U26.7
/PSG/IOA2: U25.19 U26.9
/PSG/IOA3: U25.18 U26.12
/PSG/IOA4: U25.17 U27.4
/PSG/IOA5: U25.16 U27.7
/PSG/IOB0: U17.1 U25.13
/PSG/IOB1: U17.3 U25.12
/PSG/IOB2: U17.5 U25.11
/PSG/IOB3: U17.9 U25.10
/PSG/IOB4: J6.8 U25.9
/PSG/IOB5: J7.8 U25.8
/PSG/IOB6: U25.7 U26.1 U27.1
/PSG/JOYA1: J6.1 RN4.9 U26.2
/PSG/JOYA2: J6.2 RN4.8 U26.5
/PSG/JOYA3: J6.3 RN4.7 U26.11
/PSG/JOYA4: J6.4 RN4.6 U26.14
/PSG/JOYA6: J6.6 RN5.5 U17.8 U27.2
/PSG/JOYA7: J6.7 RN5.4 U17.6 U27.5
/PSG/JOYB1: J7.1 RN4.5 U26.3
/PSG/JOYB2: J7.2 RN4.4 U26.6
/PSG/JOYB3: J7.3 RN4.3 U26.10
/PSG/JOYB4: J7.4 RN4.2 U26.13
/PSG/JOYB6: J7.6 RN5.3 U17.4 U27.3
/PSG/JOYB7: J7.7 RN5.2 U17.2 U27.6
/PSGBC1: U1.10 U25.29
/PSGBDIR: U1.12 U25.27
/PSGCLK: U8.5 U25.22
/RESET: U15.35 U20.5
/SLOTS/~{EXTINT2}: J3.8 RN3.3 U24.10
/SLOTS/~{EXTINT3}: J4.8 RN3.2 U24.9
/SLOTS/~{EXTWAIT2}: J3.7 RN3.6 U24.2
/SLOTS/~{EXTWAIT3}: J4.7 RN3.7 U24.1
/SLOTS/~{VDPINT}: J5.8 RN3.4 U24.12
/SLOTS/~{VDPWAIT}: J5.7 RN3.5 U24.4
/~{CAPSLOCK}: U15.11 U17.11
/~{CASMOTOR}: R11.2 U15.13
/~{CS1}: J3.1 J4.1 J5.1 U5.11 U6.4
/~{CS2}: J3.2 J4.2 J5.2 U5.10 U6.5
/~{CS12}: J3.3 J4.3 J5.3 U6.6
/~{EXTINT}: U13.16 U24.11
/~{EXTWAIT}: U10.1 U10.10 U24.6
/~{IORQ}: J3.11 J4.11 J5.11 U4.1 U7.5 U11.14
/~{KANALOCK}: R7.1 U17.13 U25.6
/~{M1}: J3.9 J4.9 J5.9 U4.2 U7.6 U10.2 U11.18
/~{MREQ}: J3.12 J4.12 J5.12 U4.12 U11.16
/~{PPIRDY}: U8.8 U16.1 U16.15
/~{PPIRD}: U4.6 U15.5
/~{PPIWR}: U4.8 U15.36
/~{RAMSL0}: U3.6 U22.20
/~{RAMSL1}: U3.3 U23.20
/~{RD}: J3.14 J4.14 J5.14 U2.9 U4.4 U5.15 U6.1 U11.9 U21.24 U22.22 U23.22
/~{RESET}: J1.22 J3.15 J4.15 J5.15 R2.2 U8.13 U13.26 U20.6 U25.23
/~{RFSH}: J3.6 J4.6 J5.6 U1.5 U11.5
/~{SLTSL0}: U5.4 U21.22
/~{SLTSL1}: U3.1 U3.4 U5.5
/~{SLTSL2}: J3.4 U5.6
/~{SLTSL3}: J4.4 U5.7
/~{SLTSLEN}: U4.11 U5.1
/~{VDPSL}: J5.16 U7.12
/~{WR}: J3.13 J4.13 J5.13 U2.13 U4.10 U11.7 U22.27 U23.27
Net-(C32-Pad2): C32.2 R3.1
Net-(C33-Pad2): C33.2 R4.1
Net-(C35-Pad2): C35.2 R5.1
Net-(C38-Pad2): C38.2 R10.2
Net-(C39-Pad1): C39.1 R10.1 R12.2
Net-(C41-Pad1): C41.1 R14.1
Net-(C41-Pad2): C41.2 J8.5
Net-(D1-A): D1.1 R1.2
Net-(J8-Pad4): J8.4 R12.1 R13.2
Net-(J8-Pad6): J8.6 K1.4
Net-(J8-Pad7): J8.7 K1.3
Net-(Q1-B): Q1.2 R11.1
Net-(Q1-E): D2.1 K1.2 Q1.3
Net-(U1-Pad2): U1.2 U3.5
Net-(U1-Pad4): U1.4 U2.4
Net-(U1-Pad6): U1.6 U4.13
Net-(U1-Pad8): U1.8 U2.1
Net-(U1-Pad11): U1.11 U3.8
Net-(U2-Pad6): U2.6 U6.9
Net-(U3-Pad10): U3.10 U6.8
Net-(U4-Pad3): U4.3 U6.2
Net-(U7-~{E1}): U2.3 U7.4
Net-(U8A-D): U8.2 U8.6
Net-(U10A-Q): U10.5 U10.12 U13.24
Net-(U10A-~{SD}): U10.4 U10.9
Net-(U11A-A1): U11.2 U13.27
Net-(U11A-A2): U11.4 U13.19
Net-(U11A-A3): U11.6 U13.20
Net-(U11B-A1): U11.11 U13.21
Net-(U11B-A2): U11.13 U13.22
Net-(U11B-A3): U11.15 U13.28
Net-(U16-Y0): U5.2 U16.7
Net-(U16-Y1): U5.3 U16.9
Net-(U20-/PBRST): SW1.2 U20.1
Net-(U21-A15): JP1.2 RN2.4 U21.3
Net-(U21-A16): JP2.2 RN2.3 U21.2
Net-(U21-A17): JP3.2 RN2.5 U21.30
Net-(U21-A18): JP4.2 RN2.2 U21.1
Net-(U24-Pad3): U24.3 U24.5
Net-(U24-Pad13): U24.8 U24.13
Net-(U25-A): C35.1 R6.1 U25.3 U25.4 U25.38
Net-(U25-IOA6): R8.2 U25.15
Net-(U28A-IN+): C42.1 R16.2 R17.1 R18.2 U28.2
Net-(U28A-IN-): R14.2 R15.1 R16.1 U28.3
Net-(Y1-OUT): U6.13 Y1.5

Pads without a net: H1 1; H2 1; H3 1; H4 1; H5 1; H6 1; H7 1; H8 1; H9 1; H10 1; H11 1; J3 5 10 16 44 46; J4 5 10 16 44 46; J5 5 10 44 46; K1 5; U5 9 12; U7 7 9 13 14 15; U8 9; U10 6 8; U11 3 12; U13 18 23; U19 7 9 10 11 12; U25 2 5 26 39; U27 9 12; U28 5 6

## Text on the board
F.Silkscreen: Artemisa Computer System HK-10 Rev01 / Copyright(C) 2018-2026 Alvaro Polo
